# Altium PCB Load_Bank_Master.PcbDoc (part 2 of 3) (continued)
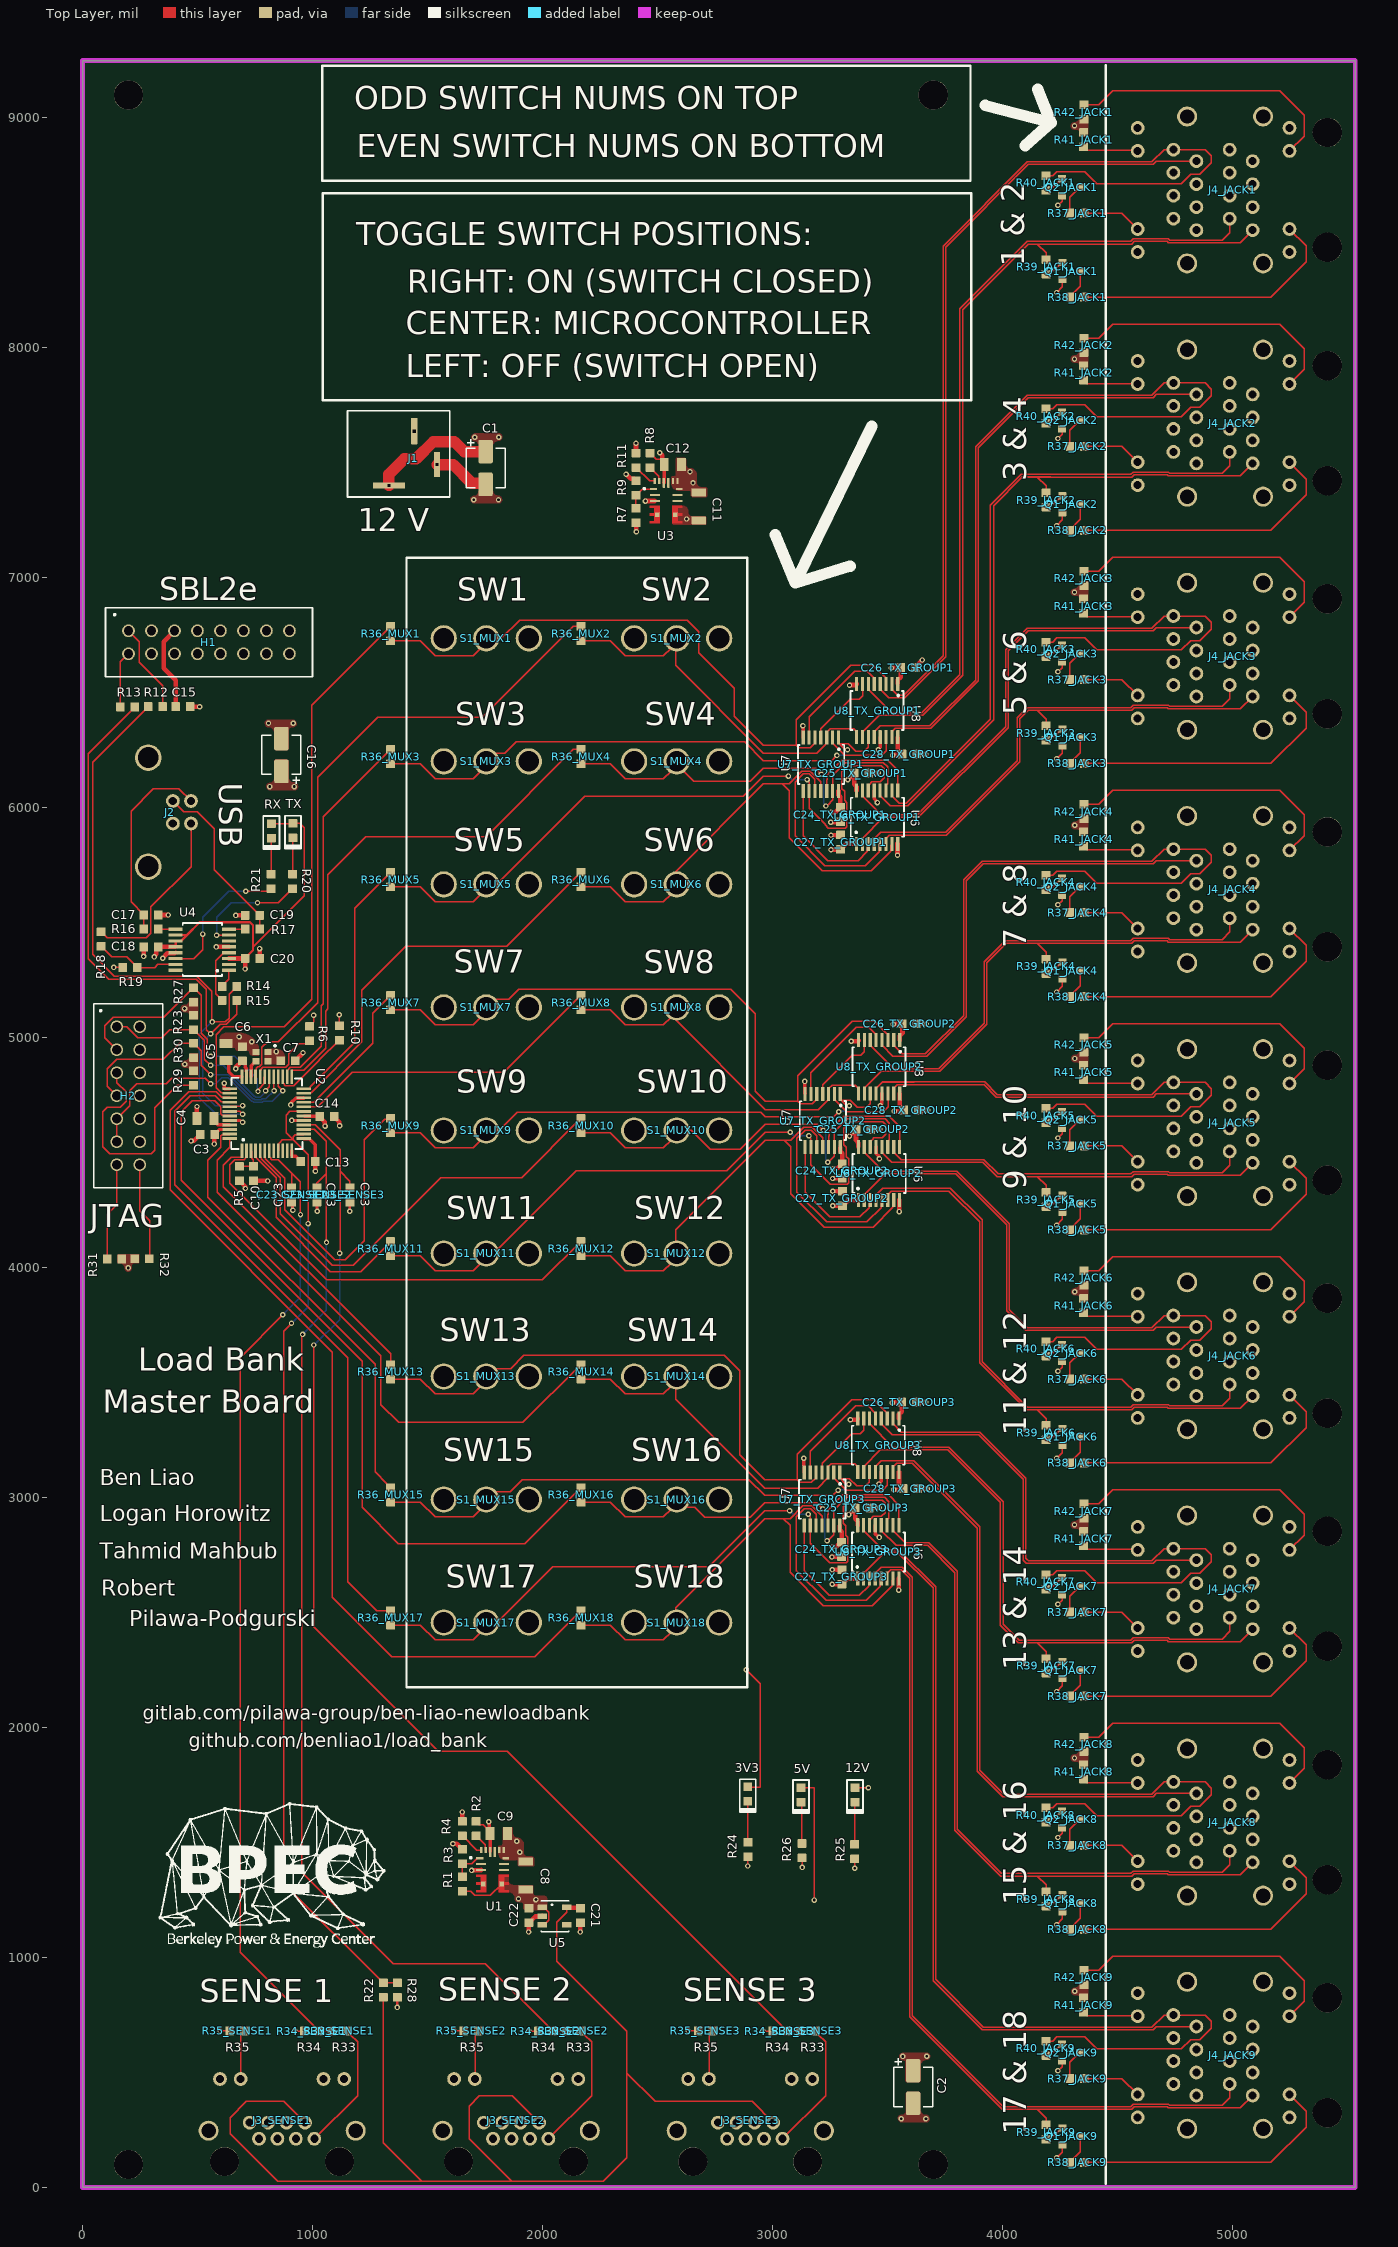
[diagram p0: Top Layer view]
## Nets (pads, with @x,y where several pads share a name; then routed paths per layer and width w, separated by ;. In a path a pad name is that pad's centre, name@x,y a point inside that pad or via, vN(x,y) a via of type N, cw(c..) or ccw(c..) an arc to the next point about the centre after c; other vN are vias at no path point) (continued)
  other v1: 199,3999 445,4885 842,4940 444,5127 814.41,6092.49 921.41,6092.49 2627,7256
+5: 5V.2 C8.2 C22.2 J3_SENSE1.7 J3_SENSE1.12 J3_SENSE2.7 J3_SENSE2.12 J3_SENSE3.7 J3_SENSE3.12 R1.2 U1.7 U5.1 U5.3 | length 852.9
  Top Layer w6: R1.2@1652,1288 1689.15,1288 1706.75,1270.4 1772.95,1270.4 U1.7@1822.37,1319.82 ; U5.3@2000,1143.2 2008.5,1143.2 2028.5,1163.2 2028.5,1198 2008.5,1218 U5.1@2000,1218 ; 5V.2@3125,1739 3126,1738 3182,1738 v1(3182,1250)
  Top Layer w20: C22.2@1940,1215 C22.2@1941,1215
  other v1: 1972,1252 1896,1256
+12: 12V.2 C1.2 C2.2 C9.2 C12.2 C25_TX_GROUP1.2 C25_TX_GROUP2.2 C25_TX_GROUP3.2 C28_TX_GROUP1.2 C28_TX_GROUP2.2 C28_TX_GROUP3.2 J1.1 J4_JACK1.107 J4_JACK1.109 J4_JACK1.112 J4_JACK1.207 J4_JACK1.209 J4_JACK1.212 J4_JACK2.107 J4_JACK2.109 J4_JACK2.112 J4_JACK2.207 J4_JACK2.209 J4_JACK2.212 J4_JACK3.107 J4_JACK3.109 J4_JACK3.112 J4_JACK3.207 J4_JACK3.209 J4_JACK3.212 J4_JACK4.107 J4_JACK4.109 J4_JACK4.112 J4_JACK4.207 J4_JACK4.209 J4_JACK4.212 J4_JACK5.107 J4_JACK5.109 J4_JACK5.112 J4_JACK5.207 J4_JACK5.209 J4_JACK5.212 J4_JACK6.107 J4_JACK6.109 J4_JACK6.112 J4_JACK6.207 J4_JACK6.209 J4_JACK6.212 J4_JACK7.107 J4_JACK7.109 J4_JACK7.112 J4_JACK7.207 J4_JACK7.209 J4_JACK7.212 J4_JACK8.107 J4_JACK8.109 J4_JACK8.112 J4_JACK8.207 J4_JACK8.209 J4_JACK8.212 J4_JACK9.107 J4_JACK9.109 J4_JACK9.112 J4_JACK9.207 J4_JACK9.209 J4_JACK9.212 R2.1 R8.1 U1.16 U3.16 U6_TX_GROUP1.16 U6_TX_GROUP2.16 U6_TX_GROUP3.16 U8_TX_GROUP1.16 U8_TX_GROUP2.16 U8_TX_GROUP3.16 | length 1793
  Top Layer w6: R2.1@1712,1592 1725.65,1578.35 1742.65,1578.35 C9.2@1768.65,1552.35 ; R8.1@2468,7543 2469,7543 2495.45,7516.55 2513.5,7516.55 C12.2@2520.5,7509.55 ; 12V.2@3360,1739 v1(3418,1739) ; J4_JACK9.107@5085.51,703.49 J4_JACK9.107@5089,700 ; J4_JACK8.107@5085.51,1717.49 J4_JACK8.107@5089,1714 ; J4_JACK7.107@5085.51,2731.49 J4_JACK7.107@5089,2728 ; J4_JACK6.107@5085.51,3745.49 J4_JACK6.107@5089,3742 ; J4_JACK5.107@5085.51,4759.49 J4_JACK5.107@5089,4756 ; J4_JACK4.107@5085.51,5773.49 J4_JACK4.107@5089,5770 ; J4_JACK3.107@5085.51,6787.49 J4_JACK3.107@5089,6784 ; J4_JACK2.107@5085.51,7801.49 J4_JACK2.107@5089,7798 ; J4_JACK1.107@5085.51,8815.49 J4_JACK1.107@5089,8812
  Top Layer w15: v1(1767,1590) 1768.65,1588.35 1768.65,1552.35 1768.65,1543.35 C9.2@1773,1539 1773.08,1538.92 1773.08,1459.66 U1.16@1773.16,1459.58 ; U3.16@2528.16,7413.58 2529.08,7414.5 2529.08,7492.08 C12.2@2530,7493
  Top Layer w20: v1(2510,7544) 2510,7543.02 2520.5,7532.52 2520.5,7509.55 2520.5,7502.5 C12.2@2530,7493 ; v1(3327.61,6121.61) C25_TX_GROUP1.2@3356,6150 ; v1(3332.61,2926.61) C25_TX_GROUP3.2@3361,2955 ; v1(3335.61,4572.61) C25_TX_GROUP2.2@3364,4601 ; C25_TX_GROUP1.2@3356,6151 C25_TX_GROUP1.2@3356,6150 ; C25_TX_GROUP3.2@3361,2956 C25_TX_GROUP3.2@3361,2955 ; C25_TX_GROUP2.2@3364,4602 C25_TX_GROUP2.2@3364,4601 ; U6_TX_GROUP1.16@3366.2,6075 3366.2,6092.5 3356,6102.7 C25_TX_GROUP1.2@3356,6150 ; U6_TX_GROUP3.16@3371.2,2880 3371.2,2897.5 3361,2907.7 C25_TX_GROUP3.2@3361,2955 ; U6_TX_GROUP2.16@3374.2,4526 3374.2,4543.5 3364,4553.7 C25_TX_GROUP2.2@3364,4601 ; v1(3523,6229) 3523.69,6229.69 3559.69,6229.69 C28_TX_GROUP1.2@3564,6234 3564,6235 3545.8,6253.2 U8_TX_GROUP1.16@3545.8,6307 ; v1(3528,3034) 3528.69,3034.69 3564.69,3034.69 C28_TX_GROUP3.2@3569,3039 3569,3040 3550.8,3058.2 U8_TX_GROUP3.16@3550.8,3112 ; v1(3531,4680) 3531.69,4680.69 3567.69,4680.69 C28_TX_GROUP2.2@3572,4685 3572,4686 3553.8,4704.2 U8_TX_GROUP2.16@3553.8,4758
  Top Layer w50: J1.1@1333,7402 1332,7403 1332,7450 1400,7518 1451.29,7518 1526.29,7593 1617,7593 1661,7549 C1.2@1753,7549
  other v1: 3567,570 3671.05,571.13 1706,7611 1810.05,7612.13
\3V3_SW1_TX_GROUP1: U7_TX_GROUP1.6 U8_TX_GROUP1.5 | length 493
  Top Layer w6: U7_TX_GROUP1.6@3159.8,6305 3159.8,6395.8 3358,6594 3411.9,6594 3443.4,6562.5 U8_TX_GROUP1.5@3443.4,6539
\3V3_SW1_TX_GROUP2: U7_TX_GROUP2.6 U8_TX_GROUP2.5 | length 493
  Top Layer w6: U7_TX_GROUP2.6@3167.8,4756 3167.8,4846.8 3366,5045 3419.9,5045 3451.4,5013.5 U8_TX_GROUP2.5@3451.4,4990
\3V3_SW1_TX_GROUP3: U7_TX_GROUP3.6 U8_TX_GROUP3.5 | length 493
  Top Layer w6: U7_TX_GROUP3.6@3164.8,3110 3164.8,3200.8 3363,3399 3416.9,3399 3448.4,3367.5 U8_TX_GROUP3.5@3448.4,3344
\3V3_SW2_TX_GROUP1: U7_TX_GROUP1.4 U8_TX_GROUP1.7 | length 331
  Top Layer w6: U7_TX_GROUP1.4@3211,6305 3211,6344.5 3339.5,6473 3377,6473 3392.2,6488.2 U8_TX_GROUP1.7@3392.2,6539
\3V3_SW2_TX_GROUP2: U7_TX_GROUP2.4 U8_TX_GROUP2.7 | length 331
  Top Layer w6: U7_TX_GROUP2.4@3219,4756 3219,4795.5 3347.5,4924 3385,4924 3400.2,4939.2 U8_TX_GROUP2.7@3400.2,4990
\3V3_SW2_TX_GROUP3: U7_TX_GROUP3.4 U8_TX_GROUP3.7 | length 331
  Top Layer w6: U7_TX_GROUP3.4@3216,3110 3216,3149.5 3344.5,3278 3382,3278 3397.2,3293.2 U8_TX_GROUP3.7@3397.2,3344
\3V3_SW3_TX_GROUP1: U7_TX_GROUP1.2 U8_TX_GROUP1.14 | length 345.9
  Top Layer w6: U7_TX_GROUP1.2@3262.2,6305 3262.2,6281.5 3315.7,6228 3475,6228 3495,6248 3495,6306.6 U8_TX_GROUP1.14@3494.6,6307
\3V3_SW3_TX_GROUP2: U7_TX_GROUP2.2 U8_TX_GROUP2.14 | length 345.9
  Top Layer w6: U7_TX_GROUP2.2@3270.2,4756 3270.2,4732.5 3323.7,4679 3483,4679 3503,4699 3503,4757.6 U8_TX_GROUP2.14@3502.6,4758
\3V3_SW3_TX_GROUP3: U7_TX_GROUP3.2 U8_TX_GROUP3.14 | length 345.9
  Top Layer w6: U7_TX_GROUP3.2@3267.2,3110 3267.2,3086.5 3320.7,3033 3480,3033 3500,3053 3500,3111.6 U8_TX_GROUP3.14@3499.6,3112
\3V3_SW4_TX_GROUP1: U6_TX_GROUP1.9 U7_TX_GROUP1.12 | length 510.5
  Top Layer w6: U7_TX_GROUP1.12@3236.6,6073 3236.6,6121.05 3238.43,6122.88 3238.43,6143.43 3302,6207 3501,6207 3545.4,6162.6 U6_TX_GROUP1.9@3545.4,6075
\3V3_SW4_TX_GROUP2: U6_TX_GROUP2.9 U7_TX_GROUP2.12 | length 510.5
  Top Layer w6: U7_TX_GROUP2.12@3244.6,4524 3244.6,4572.05 3246.43,4573.88 3246.43,4594.43 3310,4658 3509,4658 3553.4,4613.6 U6_TX_GROUP2.9@3553.4,4526
\3V3_SW4_TX_GROUP3: U6_TX_GROUP3.9 U7_TX_GROUP3.12 | length 510.5
  Top Layer w6: U7_TX_GROUP3.12@3241.6,2878 3241.6,2926.05 3243.43,2927.88 3243.43,2948.43 3307,3012 3506,3012 3550.4,2967.6 U6_TX_GROUP3.9@3550.4,2880
\3V3_SW5_TX_GROUP1: U6_TX_GROUP1.3 U7_TX_GROUP1.8 | length 570
  Top Layer w6: U7_TX_GROUP1.8@3134.2,6073 3134.2,5877.8 3242,5770 3373,5770 3413.4,5810.4 3413.4,5839 U6_TX_GROUP1.3@3417.4,5843
\3V3_SW5_TX_GROUP2: U6_TX_GROUP2.3 U7_TX_GROUP2.8 | length 570
  Top Layer w6: U7_TX_GROUP2.8@3142.2,4524 3142.2,4328.8 3250,4221 3381,4221 3421.4,4261.4 3421.4,4290 U6_TX_GROUP2.3@3425.4,4294
\3V3_SW5_TX_GROUP3: U6_TX_GROUP3.3 U7_TX_GROUP3.8 | length 570
  Top Layer w6: U7_TX_GROUP3.8@3139.2,2878 3139.2,2682.8 3247,2575 3378,2575 3418.4,2615.4 3418.4,2644 U6_TX_GROUP3.3@3422.4,2648
\3V3_SW6_TX_GROUP1: U6_TX_GROUP1.5 U7_TX_GROUP1.10 | length 876
  Top Layer w6: U7_TX_GROUP1.10@3185.4,6073 3185.4,6123.69 3161.28,6147.81 3134.72,6147.81 3099,6112.09 3099,5878 3229,5748 3403,5748 3464.6,5809.6 3464.6,5839 U6_TX_GROUP1.5@3468.6,5843
\3V3_SW6_TX_GROUP2: U6_TX_GROUP2.5 U7_TX_GROUP2.10 | length 876
  Top Layer w6: U7_TX_GROUP2.10@3193.4,4524 3193.4,4574.69 3169.28,4598.81 3142.72,4598.81 3107,4563.09 3107,4329 3237,4199 3411,4199 3472.6,4260.6 3472.6,4290 U6_TX_GROUP2.5@3476.6,4294
\3V3_SW6_TX_GROUP3: U6_TX_GROUP3.5 U7_TX_GROUP3.10 | length 876
  Top Layer w6: U7_TX_GROUP3.10@3190.4,2878 3190.4,2928.69 3166.28,2952.81 3139.72,2952.81 3104,2917.09 3104,2683 3234,2553 3408,2553 3469.6,2614.6 3469.6,2644 U6_TX_GROUP3.5@3473.6,2648
\12V_SW1: J4_JACK1.202 U8_TX_GROUP1.4 | length 3424.4
  Top Layer w6: U8_TX_GROUP1.4@3469,6539 3469,6515.5 3506.5,6478 3575,6478 3754,6657 3754,8438.44 4113.56,8798 4655.56,8798 4669.56,8812 J4_JACK1.202@4844,8812
\12V_SW2: J4_JACK1.102 U8_TX_GROUP1.6 | length 3497.7
  Top Layer w6: U8_TX_GROUP1.6@3417.8,6539 3417.8,6515.5 3519.3,6414 3649.44,6414 3815,6579.56 3815,8170.56 4108.44,8464 4559.63,8464 4569.63,8474 4722.33,8474 4727.33,8469 4956,8469 4989,8502 J4_JACK1.102@4989,8562
\12V_SW3: J4_JACK2.202 U8_TX_GROUP1.15 | length 2549.4
  Top Layer w6: U8_TX_GROUP1.15@3520.2,6307 3520.2,6330.5 3535.2,6345.5 3689.5,6345.5 3896,6552 3896,7566.44 4113.56,7784 4655.56,7784 4669.56,7798 J4_JACK2.202@4844,7798
\12V_SW4: J4_JACK2.102 U6_TX_GROUP1.10 | length 3174.8
  Top Layer w6: U6_TX_GROUP1.10@3519.8,6075 3519.8,6051.5 3552.3,6019 3582,6019 3948,6385 3948,7315 4083,7450 4559.63,7450 ; 4108.44,7450 4559.63,7450 ; J4_JACK2.102@4989,7548 4989,7488 4956,7455 4727.33,7455 4722.33,7460 4569.63,7460 4559.63,7450
\12V_SW5: J4_JACK3.202 U6_TX_GROUP1.2 | length 2051.1
  Top Layer w6: U6_TX_GROUP1.2@3391.8,5843 3391.8,5866.5 3483.3,5958 3635,5958 4026,6349 4026,6682.44 4113.56,6770 4655.56,6770 4669.56,6784 J4_JACK3.202@4844,6784
\12V_SW6: J4_JACK3.102 U6_TX_GROUP1.4 | length 1994.5
  Top Layer w6: U6_TX_GROUP1.4@3443,5843 3443,5866.5 3470.5,5894 3753.44,5894 4064,6204.56 4064,6391 4109,6436 4559.63,6436 4569.63,6446 4722.33,6446 4727.33,6441 4956,6441 4989,6474 J4_JACK3.102@4989,6534
\12V_SW7: J4_JACK4.202 U8_TX_GROUP2.4 | length 2650.6
  Top Layer w6: U8_TX_GROUP2.4@3477,4990 3477,4966.5 3524.5,4919 3670.56,4919 3843,5091.44 3843,5682 3917,5756 4655.56,5756 ; 4113.56,5756 4655.56,5756 ; J4_JACK4.202@4844,5770 4669.56,5770 4655.56,5756
\12V_SW8: J4_JACK4.102 U8_TX_GROUP2.6 | length 2547.5
  Top Layer w6: U8_TX_GROUP2.6@3425.8,4990 3425.8,4966.5 3527.3,4865 3724,4865 3922,5063 3922,5331 4013,5422 4559.63,5422 ; 4108.44,5422 4559.63,5422 ; J4_JACK4.102@4989,5520 4989,5460 4956,5427 4727.33,5427 4722.33,5432 4569.63,5432 4559.63,5422
\12V_SW9: J4_JACK5.202 U8_TX_GROUP2.15 | length 1916.3
  Top Layer w6: U8_TX_GROUP2.15@3528.2,4758 3528.2,4781.5 3543.2,4796.5 3918.94,4796.5 3919.44,4797 3974.44,4742 4655.56,4742 ; 4113.56,4742 4655.56,4742 ; J4_JACK5.202@4844,4756 4669.56,4756 4655.56,4742
\12V_SW10: J4_JACK5.102 U6_TX_GROUP2.10 | length 2054.9
  Top Layer w6: U6_TX_GROUP2.10@3527.8,4526 3527.8,4502.5 3560.3,4470 3920,4470 3982,4408 4559.63,4408 ; 4108.44,4408 4559.63,4408 ; J4_JACK5.102@4989,4506 4989,4446 4956,4413 4727.33,4413 4722.33,4418 4569.63,4418 4559.63,4408
\12V_SW11: J4_JACK6.202 U6_TX_GROUP2.2 | length 2555.4
  Top Layer w6: U6_TX_GROUP2.2@3399.8,4294 3399.8,4317.5 3491.3,4409 3797.44,4409 4019,4187.44 4019,3812 4103,3728 4655.56,3728 ; 4113.56,3728 4655.56,3728 ; J4_JACK6.202@4844,3742 4669.56,3742 4655.56,3728
\12V_SW12: J4_JACK6.102 U6_TX_GROUP2.4 | length 2405.7
  Top Layer w6: U6_TX_GROUP2.4@3451,4294 3451,4317.5 3477,4343.5 ; 3478.5,4345 3774.56,4345 3912,4207.56 3912,3591 4109,3394 4559.63,3394 4569.63,3404 4722.33,3404 4727.33,3399 4956,3399 4989,3432 J4_JACK6.102@4989,3492
\12V_SW13: J4_JACK7.202 U8_TX_GROUP3.4 | length 1856.7
  Top Layer w6: U8_TX_GROUP3.4@3474,3344 3474,3320.5 3521.5,3273 3667.56,3273 3898,3273 4091,3080 4091,2728 4105,2714 4655.56,2714 4669.56,2728 J4_JACK7.202@4844,2728
\12V_SW14: J4_JACK7.102 U8_TX_GROUP3.6 | length 3019.5
  Top Layer w6: U8_TX_GROUP3.6@3422.8,3344 3422.8,3320.5 3524.3,3219 ; 3721,3219 3524.3,3219 ; 4108.44,2380 4559.63,2380 ; J4_JACK7.102@4989,2478 4989,2418 4956,2385 4727.33,2385 4722.33,2390 4569.63,2390 4559.63,2380 ; 3524.3,3219 3768,3219 4004,2983 4004,2449.56 4073.56,2380 4559.63,2380
\12V_SW15: J4_JACK8.202 U8_TX_GROUP3.15 | length 3116.3
  Top Layer w6: U8_TX_GROUP3.15@3525.2,3112 3525.2,3135.5 3540.2,3150.5 3608.5,3150.5 3892,2867 3892,1810 4002,1700 4655.56,1700 ; 4113.56,1700 4655.56,1700 ; J4_JACK8.202@4844,1714 4669.56,1714 4655.56,1700
\12V_SW16: J4_JACK8.102 U6_TX_GROUP3.10 | length 3292.5
  Top Layer w6: U6_TX_GROUP3.10@3524.8,2880 3524.8,2856.5 3578.3,2803 3680,2803 3804,2679 3804,1558.56 3996.56,1366 4559.63,1366 ; 4108.44,1366 4559.63,1366 ; J4_JACK8.102@4989,1464 4989,1404 4956,1371 4727.33,1371 4722.33,1376 4569.63,1376 4559.63,1366
\12V_SW17: J4_JACK9.202 U6_TX_GROUP3.2 | length 3917.2
  Top Layer w6: U6_TX_GROUP3.2@3396.8,2648 3396.8,2671.5 3488.3,2763 3544,2763 3699,2608 3699,900 3913,686 4655.56,686 ; 4113.56,686 4655.56,686 ; J4_JACK9.202@4844,700 4669.56,700 4655.56,686
\12V_SW18: J4_JACK9.102 U6_TX_GROUP3.4 | length 4194.9
  Top Layer w6: U6_TX_GROUP3.4@3448,2648 3448,2671.5 3474,2697.5 3564.86,2697.5 3608,2654.36 3608,747.56 4003.56,352 4559.63,352 ; 4108.44,352 4559.63,352 ; J4_JACK9.102@4989,450 4989,390 4956,357 4727.33,357 4722.33,362 4569.63,362 4559.63,352
GND: C1.1 C2.1 C3.2 C4.2 C5.2 C6.2 C7.1 C8.1 C9.1 C10.1 C11.1 C12.1 C13.1 C14.1 C15.1 C16.1 C17.1 C18.1 C19.1 C20.1 C21.1 C22.1 C23_SENSE1.1 C23_SENSE2.1 C23_SENSE3.1 C24_TX_GROUP1.2 C24_TX_GROUP2.2 C24_TX_GROUP3.2 C25_TX_GROUP1.1 C25_TX_GROUP2.1 C25_TX_GROUP3.1 C26_TX_GROUP1.2 C26_TX_GROUP2.2 C26_TX_GROUP3.2 C27_TX_GROUP1.2 C27_TX_GROUP2.2 C27_TX_GROUP3.2 C28_TX_GROUP1.1 C28_TX_GROUP2.1 C28_TX_GROUP3.1 H1.6 H1.11 H2.4 H2.8 H2.10 H2.12 J1.2 J2.4 J2.5 J2.6 J3_SENSE1.8 J3_SENSE1.13 J3_SENSE1.14 J3_SENSE2.8 J3_SENSE2.13 J3_SENSE2.14 J3_SENSE3.8 J3_SENSE3.13 J3_SENSE3.14 J4_JACK1.108 J4_JACK1.113 J4_JACK1.114 J4_JACK1.208 J4_JACK1.213 J4_JACK1.214 J4_JACK2.108 J4_JACK2.113 J4_JACK2.114 J4_JACK2.208 J4_JACK2.213 J4_JACK2.214 J4_JACK3.108 J4_JACK3.113 J4_JACK3.114 J4_JACK3.208 J4_JACK3.213 J4_JACK3.214 J4_JACK4.108 J4_JACK4.113 J4_JACK4.114 J4_JACK4.208 J4_JACK4.213 J4_JACK4.214 J4_JACK5.108 J4_JACK5.113 J4_JACK5.114 J4_JACK5.208 J4_JACK5.213 J4_JACK5.214 J4_JACK6.108 J4_JACK6.113 J4_JACK6.114 J4_JACK6.208 J4_JACK6.213 J4_JACK6.214 J4_JACK7.108 J4_JACK7.113 J4_JACK7.114 J4_JACK7.208 J4_JACK7.213 J4_JACK7.214 J4_JACK8.108 J4_JACK8.113 J4_JACK8.114 J4_JACK8.208 J4_JACK8.213 J4_JACK8.214 J4_JACK9.108 J4_JACK9.113 J4_JACK9.114 J4_JACK9.208 J4_JACK9.213 J4_JACK9.214 Q1_JACK1.3 Q1_JACK2.3 Q1_JACK3.3 Q1_JACK4.3 Q1_JACK5.3 Q1_JACK6.3 Q1_JACK7.3 Q1_JACK8.3 Q1_JACK9.3 Q2_JACK1.3 Q2_JACK2.3 Q2_JACK3.3 Q2_JACK4.3 Q2_JACK5.3 Q2_JACK6.3 Q2_JACK7.3 Q2_JACK8.3 Q2_JACK9.3 R3.1 R4.1 R9.1 R11.1 R19.1 R24.1 R25.1 R26.1 R28.1 R34_SENSE1.1 R34_SENSE2.1 R34_SENSE3.1 R35_SENSE1.1 R35_SENSE2.1 R35_SENSE3.1 R41_JACK1.1 R41_JACK2.1 R41_JACK3.1 R41_JACK4.1 R41_JACK5.1 R41_JACK6.1 R41_JACK7.1 R41_JACK8.1 R41_JACK9.1 R42_JACK1.1 R42_JACK2.1 R42_JACK3.1 R42_JACK4.1 R42_JACK5.1 R42_JACK6.1 R42_JACK7.1 R42_JACK8.1 R42_JACK9.1 S1_MUX1.1 S1_MUX2.1 S1_MUX3.1 S1_MUX4.1 S1_MUX5.1 S1_MUX6.1 S1_MUX7.1 S1_MUX8.1 S1_MUX9.1 S1_MUX10.1 S1_MUX11.1 S1_MUX12.1 S1_MUX13.1 S1_MUX14.1 S1_MUX15.1 S1_MUX16.1 S1_MUX17.1 S1_MUX18.1 U1.3 U1.12 U1.13 U1.14 U2.13 U2.17 U2.22 U2.37 U2.44 U3.3 U3.12 U3.13 U3.14 U4.5 U4.13 U5.2 U6_TX_GROUP1.8 U6_TX_GROUP1.13 U6_TX_GROUP2.8 U6_TX_GROUP2.13 U6_TX_GROUP3.8 U6_TX_GROUP3.13 U7_TX_GROUP1.7 U7_TX_GROUP2.7 U7_TX_GROUP3.7 U8_TX_GROUP1.8 U8_TX_GROUP1.13 U8_TX_GROUP2.8 U8_TX_GROUP2.13 U8_TX_GROUP3.8 U8_TX_GROUP3.13 X1.2 | length 4750.8
  Top Layer w6: v1(136.04,5306.04) 173.96,5306.04 R19.1@175,5305 ; v1(598,681) R35_SENSE1.1@641,681 ; v1(923,681) ccw(c924,681) 924,680 R34_SENSE1.1@965,680 ; v1(1616,681) R35_SENSE2.1@1659,681 ; v1(1941,681) ccw(c1942,681) 1942,680 R34_SENSE2.1@1983,680 ; v1(2634,681) R35_SENSE3.1@2677,681 ; v1(2893,1398) 2893,1438 R24.1@2894,1439 ; v1(2959,681) ccw(c2960,681) 2960,680 R34_SENSE3.1@3001,680 ; R26.1@3129,1433 3130,1432 v1(3130,1392) ; v1(3358,1388) R25.1@3358,1429 ; v1(4236,129) 4261,154 Q1_JACK9.3@4261,185 ; v1(4236,1143) 4261,1168 Q1_JACK8.3@4261,1199 ; v1(4236,2157) 4261,2182 Q1_JACK7.3@4261,2213 ; v1(4236,3171) 4261,3196 Q1_JACK6.3@4261,3227 ; v1(4236,4185) 4261,4210 Q1_JACK5.3@4261,4241 ; v1(4236,5199) 4261,5224 Q1_JACK4.3@4261,5255 ; v1(4236,6213) 4261,6238 Q1_JACK3.3@4261,6269 ; v1(4236,7227) 4261,7252 Q1_JACK2.3@4261,7283 ; v1(4236,8241) 4261,8266 Q1_JACK1.3@4261,8297 ; v1(4242,508) 4260,526 Q2_JACK9.3@4260,550 ; v1(4242,1522) 4260,1540 Q2_JACK8.3@4260,1564 ; v1(4242,2536) 4260,2554 Q2_JACK7.3@4260,2578 ; v1(4242,3550) 4260,3568 Q2_JACK6.3@4260,3592 ; v1(4242,4564) 4260,4582 Q2_JACK5.3@4260,4606 ; v1(4242,5578) 4260,5596 Q2_JACK4.3@4260,5620 ; v1(4242,6592) 4260,6610 Q2_JACK3.3@4260,6634 ; v1(4242,7606) 4260,7624 Q2_JACK2.3@4260,7648 ; v1(4242,8620) 4260,8638 Q2_JACK1.3@4260,8662
  Top Layer w12: U2.44@641,4640.5 641.1,4640.4 685.53,4640.4 692.93,4633 v1(696.07,4633) ; C23_SENSE1.1@909,4284 912.82,4280.18 912.82,4252.27 v1(915.04,4250.04) ; v1@909.84,4640.47 U2.17@963,4640.5 ; U2.17@937.6,4640.5 U2.17@963,4640.5 ; C23_SENSE2.1@1019,4285 1020.13,4283.87 1020.13,4246.13 v1(1021.27,4245) ; v1(1162.27,4245) 1162.63,4245.37 1162.63,4284.63 C23_SENSE3.1@1163,4285 ; v1(1369,783) R28.1@1369,827
  Top Layer w15: v1(616,4802) 617,4801 617,4779.9 618.6,4778.3 U2.37@641,4778.3 ; v1(906,4708) 907.65,4709.65 907.65,4718.58 926.67,4737.6 961.7,4737.6 U2.22@963,4738.9 ; U2.13@963,4561.7 985.4,4561.7 1012,4535.1 C13.1@1012,4462 ; v1(3133.07,6357) 3133.7,6356.37 3133.7,6305.5 U7_TX_GROUP1.7@3134.2,6305 ; v1(3137.07,3172) 3137.07,3137.69 3138.7,3136.06 3138.7,3110.5 U7_TX_GROUP3.7@3139.2,3110 ; v1(3141.07,4810) 3141.07,4780.63 3141.7,4780 3141.7,4756.5 U7_TX_GROUP2.7@3142.2,4756 ; U6_TX_GROUP1.13@3443,6075 3443.5,6074.5 3443.5,6038.83 3457,6025.33 v1(3457,6023) ; U6_TX_GROUP3.13@3448,2880 3448.5,2879.5 3448.5,2840.5 3449.17,2840.5 3462.67,2827 v1(3465,2827) ; U6_TX_GROUP2.13@3451,4526 3451.5,4525.5 3451.5,4496.33 3464.12,4483.71 3464.12,4475.8 v1(3465.77,4474.15) ; v1(3460.07,6253) 3460.07,6255.34 3468.5,6263.77 3468.5,6306.5 U8_TX_GROUP1.13@3469,6307 ; v1(3463.61,3059.08) 3463.61,3061.41 3473.5,3071.3 3473.5,3111.5 U8_TX_GROUP3.13@3474,3112 ; v1(3469.07,4704) 3469.07,4706.34 3476.5,4713.77 3476.5,4757.5 U8_TX_GROUP2.13@3477,4758
  Top Layer w20: v1(265.67,5353.63) 266.33,5354.3 266.33,5394.33 C18.1@267,5395 ; C17.1@330,5534 v1(373,5534) ; v1(349,5346) 349,5346.7 369.3,5367 402,5367 U4.13@405,5370 ; C15.1@468,6440 v1(509,6440) ; v1(472,4551) 472.69,4551.69 484.69,4551.69 512,4579 C3.2@512,4580 ; C4.2@497,4649 497.5,4649.5 497.5,4700.5 v1(498,4701) ; v1(582,5395) 582.3,5395.3 636.7,5395.3 U4.5@637,5395.6 ; C5.2@624,4976 C5.2@633,4976 ; v1(666,5532) C19.1@707,5532 ; C10.1@743,4378 743.5,4377.5 804.5,4377.5 v1(805,4377) ; C20.1@770,5345 v1(770,5388) ; C7.1@926,4900 926,4901 958.31,4933.31 958.31,4934.31 v1(959,4935) ; C13.1@1012,4462 1012.5,4461.5 v1@1012.5,4419.5 ; C14.1@1094,4658 1094,4657 1117.31,4633.69 1117.31,4617.69 v1(1118,4617) ; v1(1611,1495) 1611.69,1494.31 1627.69,1494.31 1651,1471 R3.1@1652,1471 ; v1(1651,1633) 1651.5,1632.5 1651.5,1592.5 R4.1@1652,1592 ; v1(1692,1379) 1692.69,1379.69 1703.37,1379.69 1703.85,1380.17 1733.12,1380.17 U1.3@1733.79,1380.84 ; v1(1940,1111) 1940.5,1111.5 1940.5,1151.5 C22.1@1941,1152 1942,1152 1968.6,1178.6 1998,1178.6 U5.2@2000,1180.6 ; v1(2165,1111) 2165.5,1111.5 2165.5,1151.5 C21.1@2166,1152 ; v1(2364,7451) 2364.98,7451 2384.48,7431.5 2398.5,7431.5 R9.1@2407,7423 ; R11.1@2407,7543 v1(2407,7585) ; v1(2448,7334) 2448.42,7334.42 2488.37,7334.42 U3.3@2488.79,7334.84 ; v1(3254,5937) 3254.69,5937.69 3294.69,5937.69 C24_TX_GROUP1.2@3296,5939 ; v1(3255,5881) 3255.5,5881.5 3296.5,5881.5 C27_TX_GROUP1.2@3297,5882 ; v1(3259,2742) 3259.69,2742.69 3299.69,2742.69 C24_TX_GROUP3.2@3301,2744 ; v1(3260,2686) 3260.5,2686.5 3301.5,2686.5 C27_TX_GROUP3.2@3302,2687 ; v1(3262,4388) 3262.69,4388.69 3302.69,4388.69 C24_TX_GROUP2.2@3304,4390 ; v1(3263,4332) 3263.5,4332.5 3304.5,4332.5 C27_TX_GROUP2.2@3305,4333 ; v1(3335.5,6533.5) 3336.19,6534.19 3363.6,6534.19 3366.6,6537.19 U8_TX_GROUP1.8@3366.6,6539 ; v1(3339.5,3338.5) 3340.19,3339.19 3368.6,3339.19 3371.6,3342.19 U8_TX_GROUP3.8@3371.6,3344 ; v1(3343.5,4984.5) 3344.19,4985.19 3371.6,4985.19 3374.6,4988.19 U8_TX_GROUP2.8@3374.6,4990 ; C25_TX_GROUP1.1@3419,6151 3419.5,6151.5 3459.5,6151.5 v1(3460,6152) ; C25_TX_GROUP3.1@3424,2956 3424.5,2956.5 3464.5,2956.5 v1(3465,2957) ; C25_TX_GROUP2.1@3427,4602 3427.5,4602.5 3467.5,4602.5 v1(3468,4603) ; v1@3544.48,5793.44 U6_TX_GROUP1.8@3544.48,5845.04 ; v1@3549.48,2598.44 U6_TX_GROUP3.8@3549.48,2650.04 ; v1@3552.48,4244.44 U6_TX_GROUP2.8@3552.48,4296.04 ; C26_TX_GROUP1.2@3621,6610 3621,6611 3651.31,6641.31 3651.31,6642.31 v1(3652,6643) ; C26_TX_GROUP3.2@3626,3415 3626.5,3414.5 3666.5,3414.5 v1(3667,3414) ; C28_TX_GROUP1.1@3627,6234 3627.5,6233.5 3667.5,6233.5 v1(3668,6233) ; C26_TX_GROUP2.2@3629,5061 3629.5,5060.5 3669.5,5060.5 v1(3670,5060) ; C28_TX_GROUP3.1@3632,3039 3632.5,3038.5 3672.5,3038.5 v1(3673,3038) ; C28_TX_GROUP2.1@3635,4685 3635.5,4684.5 3675.5,4684.5 v1(3676,4684)
  Top Layer w50: J1.2@1542,7493 1612,7493 1693,7412 1748,7412 C1.1@1753,7407
  other v1: 3561.05,299.13 3668.05,299.13 4315,853 1902,1458 1889,1506 4314.1,1867.73 3549.28,2598.24 4314.1,2881.73 4315.1,3895.73 3552.28,4244.24 1013,4419 909.81,4640.44 4315.1,4909.73 735.69,4982.69 681,5005 3544.28,5793.24 4315.1,5923.73 808.95,6367.87 915.95,6367.87 4314.1,6937.73 1702.05,7340.13 1809.05,7340.13 2655,7413 2642,7461 4314.1,7951.73 4314.1,8965.73
I_SENSE_1: C23_SENSE1.2 R33_SENSE1.2 R34_SENSE1.2 U2.7 | length 4288.5
  Top Layer w6: U2.7@811.8,4509 811.8,4483.4 817.6,4477.6 817.6,4476.99 817.6,4474.53 822.63,4469.5 851.3,4469.5 910.4,4410.4 ; v1(871,3795) 685,3609 685,1024 1028,681 R34_SENSE1.2@1028,680 ; C23_SENSE1.2@909,4347 ccw(c909,4348.4) C23_SENSE1.2@910,4347.42 ; C23_SENSE1.2@910,4333 C23_SENSE1.2@910,4347.42 ; v1(948,4231) 948,4372.8 910.4,4410.4 ; R34_SENSE1.2@1028.5,680.5 1084.5,680.5 R33_SENSE1.2@1085,681 ; C23_SENSE1.2@910,4347.42 ccw(c909,4348.4) 910.4,4348.4 910.4,4410.4
  Bottom Layer w6: v1(871,3795) 948,3872 v1(948,4231)
I_SENSE_2: C23_SENSE2.2 R33_SENSE2.2 R34_SENSE2.2 U2.15 | length 4859.8
  Top Layer w6: v1(957,3710) 954,3707 954,1372 1352,974 1752,974 2029.5,696.5 2030.5,696.5 2046,681 R34_SENSE2.2@2046,680 ; U2.15@963,4601.1 1008.9,4601.1 1060,4550 1060,4408 ; C23_SENSE2.2@1019,4342 1019,4367 1060,4408 ; v1(1061,4110) 1060,4111 1060,4408 ; R34_SENSE2.2@2046.5,680.5 2102.5,680.5 R33_SENSE2.2@2103,681
  Bottom Layer w6: v1(957,3710) 1061,3814 v1(1061,4110)
I_SENSE_3: C23_SENSE3.2 R33_SENSE3.2 R34_SENSE3.2 U2.16 | length 5267.7
  Top Layer w6: U2.16@963,4620.8 1012.2,4620.8 1120,4513 1120,4419 ; v1(1006,3664) 1006,2439 1547.5,1897.5 1847.5,1897.5 3048.5,696.5 3064,681 R34_SENSE3.2@3064,680 ; v1(1118,4063) 1120,4065 1120,4419 ; C23_SENSE3.2@1163,4337 1163,4376 1120,4419 ; R34_SENSE3.2@3064.5,680.5 3120.5,680.5 R33_SENSE3.2@3121,681
  Bottom Layer w6: v1(1006,3664) 1008,3664 1118,3774 v1(1118,4063)
Net3V3_1: 3V3.1 R24.2 | length 177.4
  Top Layer w6: 3V3.1@2893,1679 2893.5,1678.5 2893.5,1502.5 R24.2@2894,1502
Net5V_1: 5V.1 R26.2 | length 181.7
  Top Layer w6: 5V.1@3125,1676 3127,1674 3127,1498 R26.2@3129,1496
Net12V_1: 12V.1 R25.2 | length 184.8
  Top Layer w6: R25.2@3358,1492 3359,1493 3359,1675 12V.1@3360,1676
NetC4_1: C4.1 U2.45 | length 86
  Top Layer w15: C4.1@572,4649 572,4640 591.2,4620.8 U2.45@641,4620.8
NetC5_1: C5.1 U2.36 | length 119.9
  Top Layer w15: C5.1@624,4901 624.69,4901 636.69,4889 636.69,4852.86 658.55,4831 U2.36@693.7,4831
NetC10_2: C10.2 R5.1 U2.3 | length 132.7
  Top Layer w6: R5.1@682,4441 C10.2@743,4441 743,4468.5 736,4475.5 736,4504.9 U2.3@732.5,4508.4
NetC13_2: C13.2 U2.12 | length 73.7
  Top Layer w15: U2.12@910.3,4509 910.3,4486.6 911.9,4485 927,4485 949,4463 C13.2@949,4462
  Top Layer w20: C13.2@949,4462 C13.2@950.31,4460.69
NetH1_1: H1.1 R12.1 | length 391.3
  Top Layer w6: H1.1@200,6770 247,6723 247,6632.25 348,6531.25 R12.1@348,6440
NetH1_2: H1.2 R13.1 | length 245.5
  Top Layer w6: R13.1@165,6439 165,6635 H1.2@200,6670
NetH2_5: H2.5 R29.1 | length 1051.3
  Top Layer w6: H2.5@149,4848 149,4805.28 189.5,4764.78 189.5,4724.5 163.5,4698.5 108.5,4698.5 89,4679 89,4525 119,4495 298,4495 314,4511 314,4695 412,4793 R29.1@483,4793
NetH2_13: H2.13 R31.1 | length 427.4
  Top Layer w6: R31.1@107,4038 108,4039 108,4232 149,4273 H2.13@149,4448